# Altium PCB BB.PcbDoc (part 6 of 9) (continued)
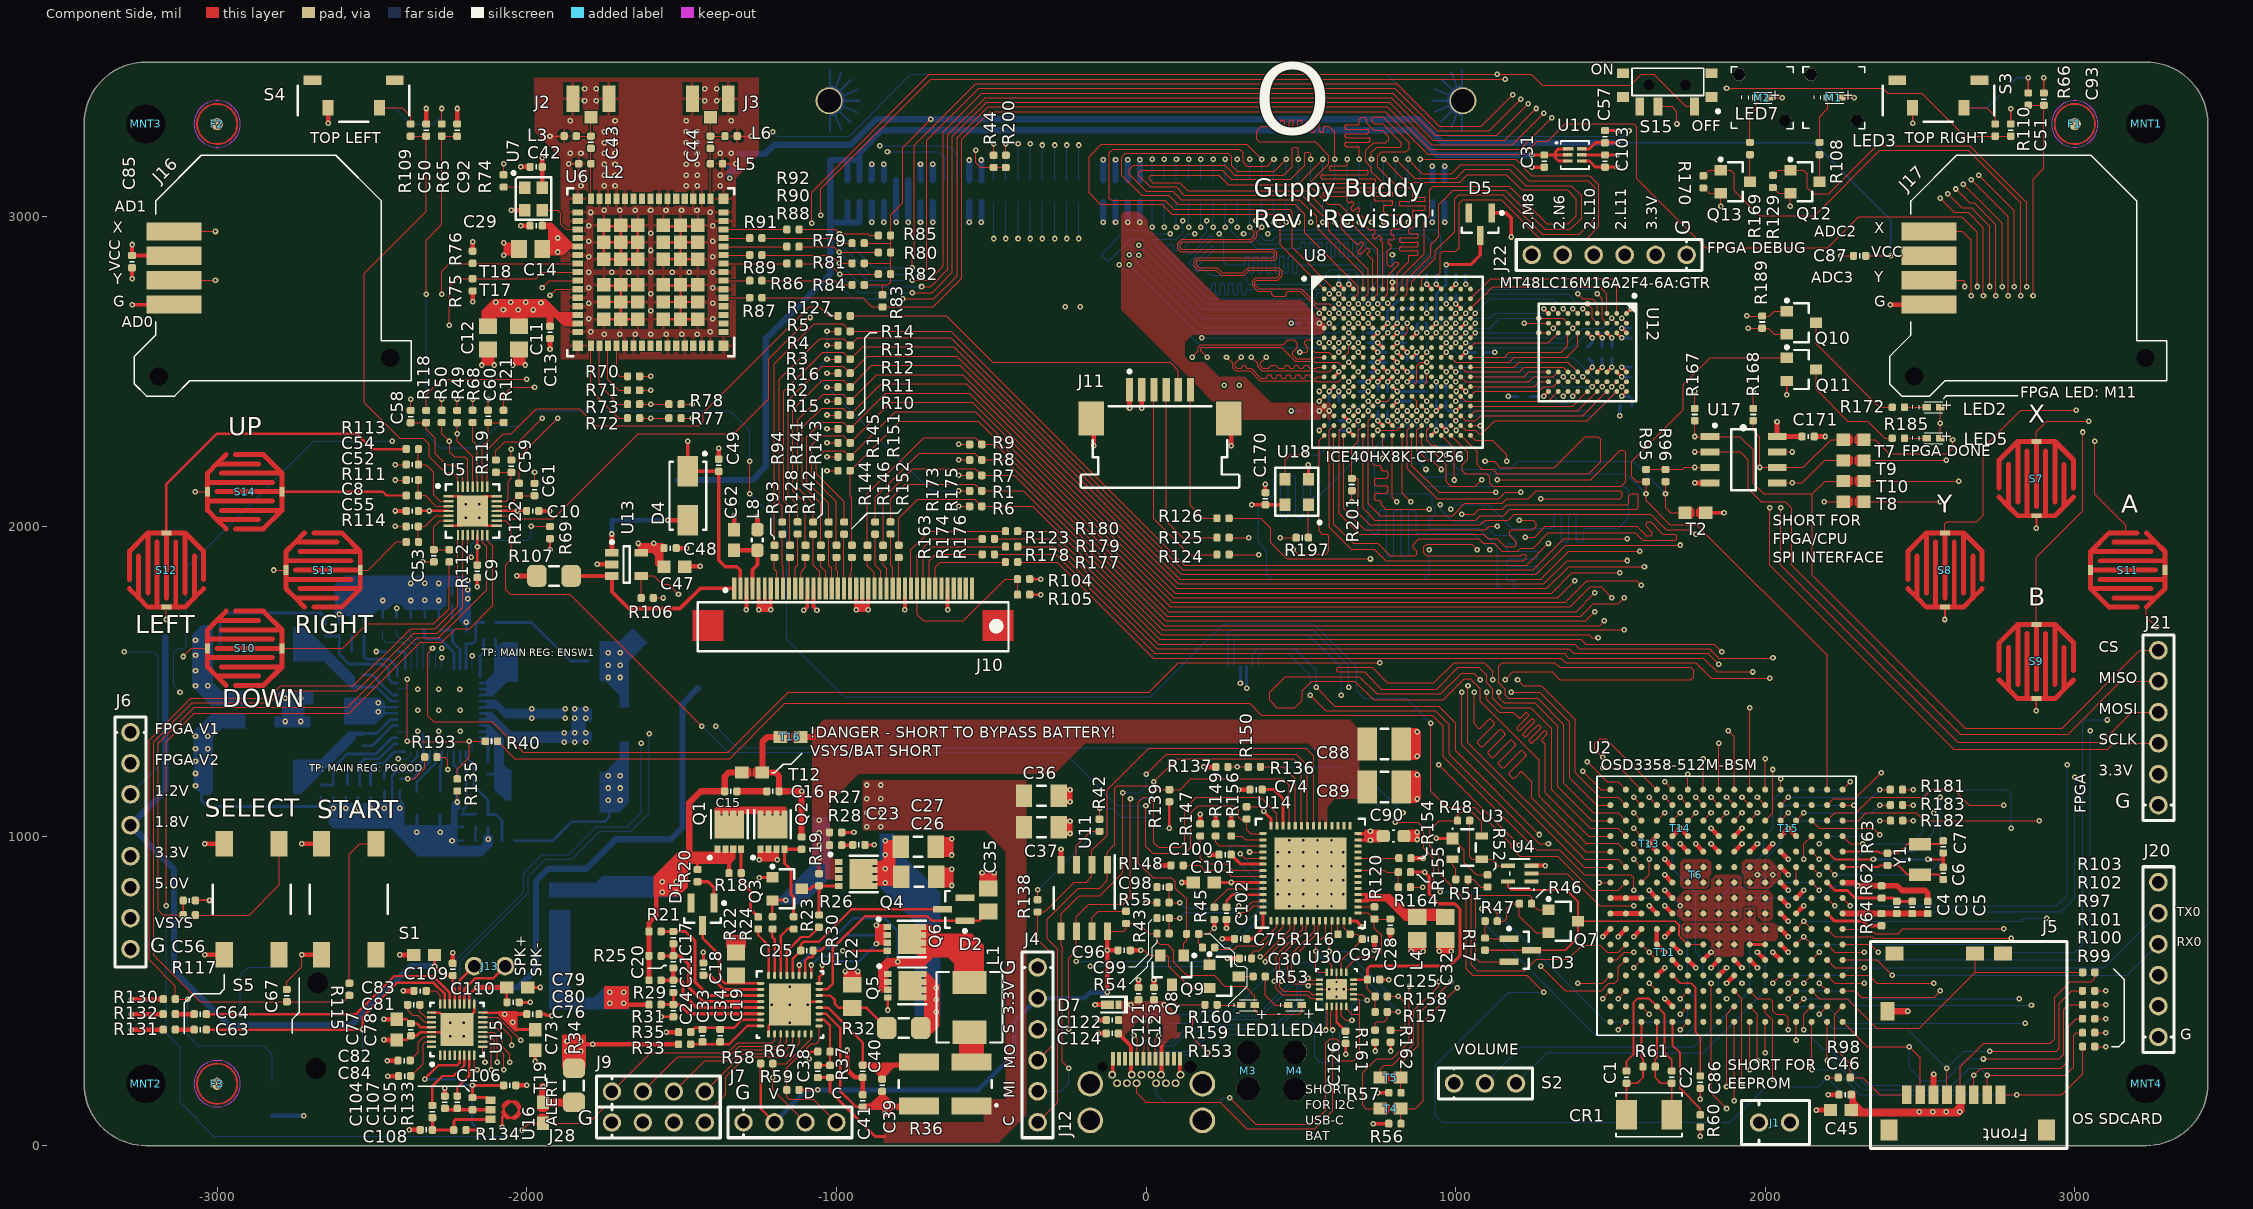
[diagram p0: Component Side view]
## Nets (pads, with @x,y where several pads share a name; then routed paths per layer and width w, separated by ;. In a path a pad name is that pad's centre, name@x,y a point inside that pad or via, vN(x,y) a via of type N, cw(c..) or ccw(c..) an arc to the next point about the centre after c; other vN are vias at no path point) (continued)
  Inner Layer 1 w4: v1(1545,1770) 1625,1690 1625,1425 v1(1800,1250)
LCD_DATA12: R8.1 R173.1 U2.L3 | length 3542.1
  Component Side w4: R173.1@-875,2014.37 -875,2095 -732.86,2237.14 -552.45,2237.14 R8.1@-530.32,2215 -456,2215 64,1695 1420,1695 v1(1450,1725) ; U2.L3@1750,1049.82 v1(1775,1074.82)
  Inner Layer 1 w4: v1(1450,1725) 1485,1725 1520,1690 1520,1655 1545,1630 1545,1369.82 1750,1164.82 1750,1099.82 v1(1775,1074.82)
LCD_DATA13: R7.1 R174.1 U2.L2 | length 3443.8
  Component Side w4: R174.1@-849.17,1939.37 -849.17,2090.83 -753.2,2186.8 -552.12,2186.8 R7.1@-530.32,2165 R7.1@-529.81,2165 ; R7.1@-529.61,2164.8 R7.1@-529.81,2165 ; v1(1480,1695) 1465,1680 59,1680 -426,2165 R7.1@-529.81,2165 ; v1(1725,1124.82) U2.L2@1750,1099.82
  Inner Layer 1 w4: v1(1480,1695) 1500,1675 1500,1650 1525,1625 1525,1360 1725,1160 v1(1725,1124.82)
LCD_DATA14: R1.1 R175.1 U2.L1 | length 3261.6
  Component Side w4: R175.1@-825,2014.8 -825,2090 -777.86,2137.14 -552.45,2137.14 R1.1@-530.45,2115.14 ; R1.1@-530.32,2115 -396,2115 54,1665 55,1666 v1(1545,1666) ; U2.L1@1750,1149.82 v1(1750,1200)
  Inner Layer 1 w4: v1(1545,1666) 1545,1665 1565,1645 1565,1385 v1(1750,1200)
LCD_DATA15: R6.1 R176.1 U2.M3 | length 3277.5
  Component Side w4: R176.1@-798.43,1939.37 -798.43,2026.82 -737.15,2088.1 -553.41,2088.1 R6.1@-530.32,2065 ; R6.1@-529.61,2065 -366,2065 49,1650 1430,1650 1440,1640 v1(1460,1640) ; U2.M3@1700,1050.49 v1(1725,1075.49)
  Inner Layer 1 w4: v1(1460,1640) 1485,1615 1485,1330 1665,1150 1685,1150 1700,1135 1700,1100.49 v1(1725,1075.49)
LCD_ENABLE: R123.1 U2.C12 | length 4109.9
  Component Side w4: R123.1@-489.61,1959.8 -300.8,1959.8 38.94,1620.06 1384.94,1620.06 1400,1605 1820,1605 1850,1575 2024.06,1575 v1(2025.06,1576) ; U2.C12@2150,599.82 v1(2175,624.82)
  Inner Layer 1 w4: v1(2025.06,1576) 2025.06,1573.94 2095,1504 2095,1290 2130,1255 2370,1255 2420,1205 2420,796 2248.82,624.82 v1(2175,624.82)
LCD_HSYNC: R179.1 U2.F2 | length 2939.3
  Component Side w4: R179.1@-414.61,1934.87 -295.87,1934.87 34,1605 1367,1605 1382,1590 1815,1590 v1(1850,1555) ; v1(1975,1124.82) U2.F2@2000,1099.82
  Inner Layer 1 w4: v1(1850,1555) 1975,1430 v1(1975,1124.82)
LCD_PCLK: R180.1 U2.F1 | length 2939.2
  Component Side w4: R180.1@-414.61,1984.67 -305.74,1984.74 44,1635 1405,1635 1420,1620 1835,1620 v1(1860,1595) ; U2.F1@2000,1149.82 v1(2000,1250)
  Inner Layer 1 w4: v1(1860,1595) 2000,1455 v1(2000,1250)
LCD_TOUCH_INT_N: J11.5 R127.2 | length 1194.6
  Component Side w4: R127.2@-955.31,2680 -645,2680 -495,2530 77.68,2530 104.3,2503.39 J11.5@104.3,2441.54
LCD_TOUCH_RESET_N: J11.6 R126.2 | length 475.7
  Component Side w4: J11.6@143.67,2441.54 143.67,2068.81 185.91,2026.57 R126.2@229.13,2026.57
LCD_TOUCH_SCL: J11.3 R124.2 | length 667.9
  Component Side w4: J11.3@25.56,2441.54 25.56,2025.42 141.98,1909 R124.2@229.13,1909
LCD_TOUCH_SDA: J11.4 R125.2 | length 610.8
  Component Side w4: J11.4@64.93,2441.54 64.93,2017.03 118.38,1963.58 R125.2@229.13,1963.58
LCD_VSYNC: R178.1 U2.F3 | length 3124.4
  Component Side w4: R178.1@-489.61,1909.86 -290.93,1909.93 29,1590 1351,1590 1366,1575 1800,1575 1845,1530 v1(1960,1530) ; U2.F3@2000,1049.82 2025,1074.82 v1(2025,1215)
  Inner Layer 1 w4: v1(1960,1530) 2025,1465 v1(2025,1215)
LED0: Q12.1 R129.1 U2.B10 | length 4072.3
  Component Side w4: R129.1@2025,3132.51 2043.49,3151 Q12.1@2081.19,3151 2123.37,3151 2135,3139.37 2135,3094.37 2155,3074.37 2205,3074.37 2360.63,3230 2660,3230 2845,3045 v1(2845,2774) ; U2.B10@2200,699.82 2225,674.82 2345.18,674.82 2350,670 v1(2795,670)
  Inner Layer 1 w4: v1(2795,670) 2795,709 2745,759 2745,1430 2845,1530 v1(2845,2774) v1@2845,2775
LED1: Q13.1 R170.1 U2.A10 | length 4220.7
  Component Side w4: R170.1@1800,3132.51 1818.49,3151 Q13.1@1856.19,3151 1888.37,3151 1900,3139.37 1900,3084.37 1980,3004.37 2160,3004.37 2370.63,3215 2655,3215 2825,3045 v1(2825,2745) ; U2.A10@2250,699.82 2300.18,699.82 2310,690 2350,690 2355,685 2430,685 2445,700 v1(2770,700)
  Inner Layer 1 w4: v1(2770,700) 2725,745 2725,1430 2825,1530 v1(2825,2745)
LED_BACKLIGHT_PWM: R106.1 U2.C5 U13.4 | length 5218.2
  Component Side w4: R106.1@-1630.51,1769 U13.4@-1630.51,1840.2 -1590.2,1840.2 -1563,1813 -1542.02,1813 v1(-1510,1780.98) ; U2.C5@2150,949.82 v1(2175,924.82)
  Inner Layer 1 w4: v1(-1510,1780.98) -1510,1475 v1(-1390,1355) ; v1(830,1074.96) 830,825 910.31,744.69 1140.31,744.69 1305,580 1305,450 1410,345 1585,345 1700,460 1700,521 1729,550 1791,550 1800,559 1800,574.59 2086.41,861 2111.18,861 v1(2175,924.82)
  Solder Side w4: v1(-1390,1355) -1320,1285 619.79,1285 v1@829.92,1074.88
LED_N: J10.1 R107.1 U13.3 | length 612.6
  Component Side w12: R107.1@-1857,1840.2 U13.3@-1725,1840.2 ; -1725,1825.2 -1725,1789 -1671,1735 -1505,1735 -1440,1800 J10.1@-1329.92,1800
LED_P: C49.2 D4.2 J10.2 | length 625.6
  Component Side w12: v1(-1480,2275) D4.2@-1480,2178 C49.2@-1380,2178 -1380,1891 -1359,1870 -1322,1870 -1310.24,1858.24 J10.2@-1310.24,1800
LODRV: Q6.4 U1.25 | length 297.7
  Component Side w8: U1.25@-1081.18,549.98 v1(-1081.18,583.44) ; v1(-980,629.69) Q6.4@-836.1,629.69
  Solder Side w8: v1(-1081.18,583.44) -1052.95,611.67 -998.01,611.67 v1(-980,629.69)
MCASP0_ACLKX: U2.A1 U15.14 | length 5640.9
  Component Side w4: U15.14@-2142.32,398.55 -2096.74,398.55 -2049.03,350.84 v1(-2049.03,325) ; U2.A1@2250,1149.82 v1(2275,1174.82)
  Inner Layer 1 w4: v1(-2049.03,325) -2034.03,310 -1990,310 -1939,361 -1781,361 -1715,295 -1232,295 -1169,358 -796,358 -703,451 -629,451 -395,685 104.96,685 234.84,555.12 404.12,555.12 439,590 1075,590 1380,285 1780.04,285 1875,379.96 v1(1875,474.82)
  Solder Side w4: v1@1875,475 1850,500 1850,799.82 1995,944.82 1995,995 2025,1025 2025,1115 2060,1150 2250.18,1150 v1(2275,1174.82)
MCASP0_AHCLKX: U2.C4 U15.15 | length 5480.1
  Component Side w4: U15.15@-2142.32,414.3 -2094.3,414.3 v1(-2020,340) ; v1(2125,924.82) 2125,974.82 U2.C4@2150,999.82
  Inner Layer 1 w4: v1(-2020,340) -1980,380 -1770,380 -1698,308 -1239,308 -1176,371 -815,371 -696,490 -615,490 -405,700 115,700 245,570 395,570 430,605 1085,605 1390,300 1770,300 1850,380 1850,535 1865,550 1940,550 1950,560 1950,635 1965,650 2085,650 2100,665 2100,835 2108,843 2168,843 2193,868 2193,942 2185,950 2149.82,950 v1@2125,925.18
MCASP0_AXR0: U2.B2 U15.11 | length 6042.5
  Component Side w4: U15.11@-2142.32,351.3 -2116.3,351.3 -2105,340 -2105,305.1 -2095,295.1 v1(-2095,269.96) ; U2.B2@2200,1099.82 2220.18,1120 2290,1120 v1(2375,1205)
  Inner Layer 1 w4: v1(-2095,269.96) -2095,190 -2080,175 -1990,175 -1950,215 -1815,215 -1775,255 -745,255 -375.18,624.82 -170,624.82 -155.18,610 105,610 260,455 630,455 690,515 795,515 825,545 1045,545 1350,240 1810,240 2000,430 2000,535 2050,585 2099,585 2164,650 2240,650 2404,814 2404,1176 v1(2375,1205)
MCASP0_AXR1: U2.C3 U15.12 | length 5789.4
  Component Side w4: U15.12@-2142.32,367.05 -2107.17,367.05 -2095,354.88 -2095,315 -2074.87,294.87 v1(-2074.87,245) ; U2.C3@2150,1049.82 2175,1024.82 2349.18,1024.82 v1(2370,1004)
  Inner Layer 1 w4: v1(-2074.87,245) -2059.87,230 -1824.96,230 -1786.96,268 -1215,268 -1150,333 -697,333 -375,655 85,655 270,470 525,470 565,510 565,530 595,560 1055,560 1360,255 1800,255 1975,430 1975,540 2035,600 2085,600 2152,667 2227,667 2385,825 2385,964 2370,979 v1(2370,1004)
MCASP0_FSX: U2.A2 U15.13 | length 5746.3
  Component Side w4: U15.13@-2142.32,382.8 -2100.99,382.8 -2080,361.81 -2080,320 -2055,295 v1(-2055,270) ; U2.A2@2250,1099.82 v1(2285.36,1099.82)
  Inner Layer 1 w4: v1(-2055,270) -2030,245 -1836.96,245 -1801.17,280.79 -1222.21,280.79 -1157,346 -709,346 -385,670 95,670 280,485 490,485 500,495 500,570 505,575 1065,575 1370,270 1790,270 1925,405 v1(1925,524.82)
  Solder Side w4: v1@1925,525 1900,550 1900,827 1910,837 1974,837 2000,863 2000,927 2050,977 2050,1085 2064.82,1099.82 v1(2285.36,1099.82)
MMC0_CD: J5.10 R103.2 U2.C14 | length 1059.7
  Component Side w4: U2.C14@2150,499.82 2174.82,475 2265.63,475 2360.63,380 2497.68,380 2677.68,560 ; J5.10@2677.68,620.24 2677.68,560 ; R103.2@3025.31,560 2677.68,560
MMC0_CLK: J5.5 R102.2 U2.B15 | length 1231.6
  Component Side w4: v1(2175,424.82) U2.B15@2200,449.82 ; v1@2587,249.83 2587.13,249.71 J5.5@2587.13,164.53 ; v1(2725,305) 2940,305 2950,315 2950,460.12 2989.63,499.75 R102.2@3025,499.75
  Solder Side w4: v1(2175,424.82) 2219.82,380 2456.83,380 v1(2586.87,249.96) 2641.91,305 v1(2725,305)
MMC0_CMD: J5.3 R101.2 U2.B16 | length 1212.8
  Component Side w4: v1(2200,275) U2.B16@2200,399.82 ; J5.3@2673.74,164.53 v1(2673.74,227.87) 2695.83,249.96 2955.96,249.96 2980,274 2980,385 3005.04,410.04 R101.2@3025,410.04
  Solder Side w4: v1(2200,275) 2220,275 2315,180 2625.87,180 v1(2673.74,227.87)
MMC0_DAT0: J5.7 R97.2 U2.A16 | length 1251.3
  Component Side w4: U2.A16@2250,399.82 2329.82,320 v1(2465,320) 2500.51,284.49 J5.7@2500.51,164.53 ; v1(2705,280) 2950,280 2965,295 2965,441 2979.08,455.08 R97.2@3025,455.08
  Solder Side w4: v1(2465,320) 2465,251 2506,210 2580,210 2650,280 v1(2705,280)
MMC0_DAT1: J5.8 R98.2 U2.A15 | length 466.1
  Component Side w4: U2.A15@2250,449.82 2225,424.82 2225,315 2275,265 R98.2@2275,220 2315,220 2370.47,164.53 J5.8@2457.2,164.53
MMC0_DAT2: J5.1 R99.2 U2.C16 | length 1231
  Component Side w4: v1(2150,244.8) U2.C16@2150,399.82 ; J5.1@2760.35,164.53 2760.83,165 v1(2813,165) 2957,165 3025,233 R99.2@3025,319.96
  Solder Side w4: v1(2150,244.8) 2225.2,244.8 2305,165 v1(2813,165)
MMC0_DAT3: J5.2 R100.2 U2.C15 | length 1271
  Component Side w4: v1(2125,375) 2125,424.82 U2.C15@2150,449.82 ; J5.2@2717.05,164.53 v1(2717.05,227.87) 2968.87,227.87 2996,255 2996,356 3005,365 R100.2@3025,365
  Solder Side w4: v1(2125,375) 2188,312 2208,312 2325,195 2604,195 2659,250 2694.92,250 v1(2717.05,227.87)
MMC2_CLK: R84.2 R86.1 U2.D16 | length 7940.4
  Component Side w4: R86.1@-1240.63,2793.88 -1003.88,2793.88 -990.1,2780.1 R84.2@-949.37,2780.1 ; v1(-785,2735) -685,2735 -610,2810 -610,3255 -510,3355 778.93,3355 915.93,3218 1208,3218 v1(1310,3320) ; v1(2100,340) U2.D16@2100,399.82 ; v1(2565,3060) 2610,3015 2655,3015 2705,2965 v1(2705,2745)
  Inner Layer 1 w4: v1(1310,3320) 1555,3320 1700,3175 2035,3175 2150,3060 v1(2565,3060) ; v1(2100,340) 2494,340 2605,451 2605,1430 2705,1530 v1(2705,2745)
  Solder Side w4: v1(-990,2780) -945,2735 v1(-785,2735)
MMC2_CMD: R83.2 R87.1 U2.G14 | length 8178.4
  Component Side w4: R87.1@-1240.63,2738.76 -914.76,2738.76 -886,2710 -687,2710 -595,2802 -595,3250 -505,3340 772.72,3340 909.72,3203 1222,3203 1263,3244 1298,3244 1354,3300 1575,3300 1585,3290 1585,3122.72 1807.72,2900 2202.28,2900 2302.28,3000 2635,3000 2685,2950 v1(2685,2775) ; U2.G14@1950,499.82 1974.82,475 2015,475 2025.06,464.94 2025.06,434.94 2035,425 2063,425 2075,413 v1(2075,375)
  Inner Layer 1 w4: v1(2075,375) 2100,400 2526,400 2585,459 2585,1430 2685,1530 v1(2685,2775) v1@2685,2776
MMC2_DAT0: R82.2 R88.1 U2.F16 | length 8159.4
  Component Side w4: R88.1@-1120.63,2849 -1023,2849 v1(-989,2815) R82.2@-864.37,2815 ; v1(-755,2755) -690.28,2755 -625,2820.28 -625,3260 -515,3370 -507,3370 785.15,3370 922.15,3233 1183,3233 v1(1285,3335) ; v1(2000,300) U2.F16@2000,399.82 ; v1(2590,3075) 2635,3030 2665,3030 2725,2970 v1(2725,2775)
  Inner Layer 1 w4: v1(1285,3335) 1560,3335 1705,3190 2045,3190 2160,3075 v1(2590,3075) ; v1(2000,300) 2110,300 2135,325 2245,325 2270,300 2505,300 2625,420 2625,1430 2725,1530 2725,2050 v1(2725,2775) v1@2725,2776
  Solder Side w4: v1(-989,2815) -929,2755 v1(-755,2755)
MMC2_DAT1: R81.2 R89.1 U2.G15 | length 8365.7
  Component Side w4: R89.1@-1240.63,2876.56 -1016.65,2876.56 v1(-990.1,2850) R81.2@-949.37,2850 ; v1(-725,2775) -695,2775 -640,2830 -640,3265 -520,3385 791.36,3385 928.36,3248 1158,3248 v1(1260,3350) ; U2.G15@1950,449.82 1975,424.82 v1(1975,274.75) ; v1(2615,3090) 2660,3045 2675,3045 2745,2975 v1(2745,2745)
  Inner Layer 1 w4: v1(1260,3350) 1565,3350 1710,3205 2055,3205 2170,3090 v1(2615,3090) ; v1@1975.38,274.37 2109.37,274.37 2145,310 2235,310 2260,285 2515,285 2645,415 2645,1430 2745,1530 v1(2745,2745)
  Solder Side w4: v1(-990.1,2850) -915.1,2775 v1(-725,2775)
MMC2_DAT2: R80.2 R90.1 U2.G16 | length 8392.1
  Component Side w4: R90.1@-1120.63,2904.11 -1009.21,2904.11 v1(-990.1,2885) R80.2@-864.37,2885 ; v1(-755,2795) -700,2795 -655,2840 -655,3275 -530,3400 -507,3400 797.57,3400 934.57,3263 1133,3263 v1(1235,3365) ; v1(1950,245) U2.G16@1950,399.82 U2.G16@1950,400.16 ; v1(2640,3105) 2765,2980 v1(2765,2774)
  Inner Layer 1 w4: v1(1235,3365) 1569.96,3365 1714.96,3220 2065,3220 2180,3105 v1(2640,3105) ; v1(1950,245) 2106.25,245 2156.25,295 2225,295 2250,270 2525,270 2665,410 2665,1429.98 2765,1529.98 v1(2765,2774) v1@2765,2775
  Solder Side w4: v1(-990.1,2885) -900.1,2795 v1(-755,2795)
MMC2_DAT3: R79.2 R91.1 U2.F15 | length 8485.9
  Component Side w4: R91.1@-1240.63,2931.67 -1006.67,2931.67 v1(-990,2915) R79.2@-949.37,2915 ; v1(-725,2815) -708,2832 -708,3247 -540,3415 -507,3415 803.79,3415 940.79,3278 1108,3278 v1(1210,3380) ; U2.F15@2000,449.88 U2.F15@2000,449.82 2000,430.04 2025.06,404.98 v1(2025.06,215) ; v1@2670,3125 2670,3115 2785,3000 v1(2785,2745)
  Inner Layer 1 w4: v1(1210,3380) 1575,3380 1720,3235 2075,3235 2190,3120 v1(2665,3120) ; v1(2025.06,215) 2162,215 2191,244 2524,244 2685,405 2685,1430 2785,1530 v1(2785,2745)
  Solder Side w4: v1(-990,2915) -890,2815 v1(-725,2815)
NetC1_1: C1.1 C2.1 U2.N15 | length 550
  Component Side w6: C1.1@1552,241.19 1552,272.82 1575,295.82 1575,462.91 1586.91,474.82 1625,474.82 U2.N15@1650,449.82 1675,424.82 1675,299.82 1698,276.82 C2.1@1698,241.19
NetC1_2: C1.2 CR1.2 R61.2 U2.P16 | length 344.8
  Component Side w6: CR1.2@1552,99.82 C1.2@1552,201.82 1587,201.82 1605.32,220.14 R61.2@1605.31,255.14 1605.32,279.51 1600,284.82 U2.P16@1600,399.82
NetC2_2: C2.2 CR1.1 R61.1 U2.N16 | length 344.8
  Component Side w6: U2.N16@1650,399.82 1650,284.82 1644.68,279.51 R61.1@1644.68,255.14 1644.68,220.14 1663,201.82 C2.2@1698,201.82 CR1.1@1698,99.82
NetC3_2: C3.2 C4.2 R62.1 U2.B7 | length 300.2
  Component Side w10: U2.B7@2200,849.82 2225.59,824.24 2265.59,824.24 2290,799.82 R62.1@2376,799.82 2414.27,799.82 C4.2@2425.01,789.08 C3.2@2475,789.08
NetC6_1: C6.1 C7.1 U2.B5 | length 385.4
  Component Side w6: U2.B5@2200,949.82 2225,924.82 v1@2349.67,924.82 ; v1@2524.9,924.82 2575,924.82
  Solder Side w6: v1(2349.67,924.49) v1(2524.9,924.49)
NetC6_2: C6.2 R63.2 U2.A6 Y1.1 | length 346
  Component Side w6: U2.A6@2250,899.82 2365,899.82 2370.31,905.14 R63.2@2394.68,905.14 2429.68,905.14 2458.88,875.94 2558.88,875.94 C6.2@2575,859.82
NetC7_2: C7.2 R63.1 U2.A5 Y1.2 | length 343.9
  Component Side w6: U2.A5@2250,949.82 2365,949.82 2370.31,944.51 R63.1@2394.68,944.51 2429.68,944.51 2459.55,974.37 2564.55,974.37 C7.2@2575,984.82
NetC15_1: C15.1 C16.2 | length 96.5
  Component Side w20: C15.1@-1321.34,1144.46 C16.2@-1224.88,1144.46
NetC15_2: C15.2 J14.1 Q1.1 Q1.2 Q1.3 R18.1 R20.1 R21.1 R25.1 R29.1 T12.2 | length 739
  Component Side w10: R20.1@-1448.43,891.9 -1448.43,921
  Component Side w15: R29.1@-1605.44,534.23 R25.1@-1605.44,612.97 R21.1@-1605.44,691.71 -1605.44,719.56 -1582,743 -1582,838
  Component Side w20: -1475.08,949 -1475.08,1107.61 -1438.23,1144.46 C15.2@-1360.71,1144.46 -1360.71,1192.28 -1347.5,1205.49 T12.2@-1305.87,1205.49
  other v1: -1517,818.03 -1562,853.03 -1517,853.03
  other v5: -1562,818.03
NetC18_2: C18.2 U1.2 | length 204.2
  Component Side w10: C18.2@-1429.76,550.53 -1410.53,550.53 -1364.7,504.7 U1.2@-1244.57,504.7
NetC19_2: C19.2 D1.3 U1.1 | length 331.8
  Component Side w8: D1.3@-1432.4,710.53 -1432.4,670.93 -1377,615.53 -1377,541 -1360.39,524.39 U1.1@-1244.57,524.39
NetC22_2: C22.2 R32.1 U1.22 | length 269
  Component Side w8: U1.22@-1055.59,485.02 -1019.72,485.02 -1005,470.3 -1005,457.65 -992.35,445 C22.2@-949,445 -902.56,445 R32.1@-837.52,379.96
NetC23_2: C23.2 R28.2 | length 35.2
  Component Side w10: R28.2@-982.76,970.49 C23.2@-947.56,970.49
NetC25_2: C25.2 D2.3 U1.28 | length 614.1
  Component Side w8: U1.28@-1140.24,549.98 -1140.24,604.45 C25.2@-1114.69,630 -1114.69,649.31 -1106,658 -1057,658 -951.54,763.46 D2.3@-657.83,763.46
NetC26_2: C26.2 C27.2 Q4.5 Q4.6 Q4.7 Q4.8 Q4.TAB Q5.5 Q5.6 Q5.7 Q5.8 Q5.TAB R32.2
  other v1: -677.64,431.85 -677.64,471.22 -677.64,510.59 -842.2,849.74 -842.2,894.74 -842.2,939.74 -842.2,984.74
NetC30_2: C30.2 U14.3 | length 173.3
  Component Side w4: C30.2@341,605 341,622 349,630 366.3,630 442.68,706.38 U14.3@442.68,726.06
NetC32_2: C32.2 L4.2 U14.17 U14.18 | length 63
  Component Side w10: U14.17@684.8,791.02 716.3,791.02 ; U14.18@684.8,810.71 716.3,810.71
NetC33_1: C33.1 C34.2 R33.2 U1.8 | length 250.9
  Component Side w8: R33.2@-1471,327.54 -1346.93,327.54 -1287.87,386.59 U1.8@-1244.57,386.59
NetC33_2: C33.2 C34.1 R35.2 U1.7 | length 242.4
  Component Side w8: R35.2@-1470.62,366.91 -1456.84,380.69 -1331.18,380.69 -1305.59,406.28 U1.7@-1244.57,406.28
NetC35_2: C35.2 D2.1 U1.23 | length 729.7
  Component Side w8: U1.23@-1055.59,504.7 -1029.94,504.7 -1012.28,522.36 -1012.28,636.72 -908,741 -706,741 -691.06,726.06 D2.1@-585,726.06 -539.79,726.06 C35.2@-509.46,756.39
NetC43_1: C43.1 J2.3 L3.2 | length 107.7
  Component Side w4: L3.2@-1840,3260.81 C43.1@-1792.91,3260.81 J2.3@-1792.91,3321.44
NetC44_1: C44.1 J3.3 L6.2 | length 107.7
  Component Side w4: J3.3@-1407.09,3321.44 C44.1@-1407.09,3260.81 L6.2@-1360,3260.81
NetC62_2: C62.2 J10.4 L8.1 | length 204.9
  Component Side w12: J10.4@-1270.87,1800 -1270.87,1860.13 -1255,1876 L8.1@-1255,1923
  Component Side w15: C62.2@-1330.33,1923 L8.1@-1255,1923
NetC63_1: C63.1 R131.1 | length 60.6
  Component Side w15: R131.1@-3135,374.78 C63.1@-3074.37,374.78
NetC63_2: C63.2 J19.3 U15.23 | length 998
  Component Side w8: C63.2@-3035,374.96 v1@-2529.33,374.96 ; v1(-2529.33,375.3) -2529.33,416.67 -2420,526 -2301.1,526 -2264.37,489.27 U15.23@-2264.37,457.6
  Solder Side w4: J19.3@-2529.33,281.5 v1(-2529.33,375.3)
NetC64_1: C64.1 R132.1 | length 60.6
  Component Side w15: R132.1@-3135,424.82 C64.1@-3074.37,424.82
NetC64_2: C64.2 J19.2 U15.22 | length 1135.4
  Component Side w8: C64.2@-3035,425 v1(-2925,425) -2551,425 -2428,548 -2303,548 -2248.62,493.62 U15.22@-2248.62,457.6
  Solder Side w4: v1(-2925,425) -2925,551.77 -2900,576.77 J19.2@-2822.64,576.77
NetC74_2: C74.2 U14.40 | length 168.1
  Component Side w10: C74.2@375,1150 414.22,1150 442.68,1121.54 442.68,1081.12 442.99,1080.8 442.99,1064.24 442.68,1063.92 U14.40@442.68,1033.15
NetC75_2: C75.2 U14.56 | length 116.2
  Component Side w10: C75.2@325,667.01 341.56,667.01 377.72,703.16 U14.56@377.72,751.65
NetC81_1: C81.1 U15.27 | length 111.1
  Component Side w4: C81.1@-2384.68,455 -2384.68,436.68 -2369,421 -2351.41,421 -2328.96,398.55 U15.27@-2307.68,398.55
NetC81_2: C81.2 U15.26 | length 67.5
  Component Side w4: C81.2@-2345.31,455 -2345.32,432.8 -2326.81,414.3 U15.26@-2307.68,414.3
NetC82_2: C82.2 U15.30 | length 120.2
  Component Side w4: C82.2@-2376.85,274.75 -2350.16,301.44 -2350.16,334.43 -2333.29,351.3 U15.30@-2307.68,351.3
NetC83_2: C83.2 U15.24 | length 79
  Component Side w4: C83.2@-2325,499.75 -2293.75,499.75 -2280.12,486.12 U15.24@-2280.12,457.6
NetC84_2: C84.2 U15.31 | length 150.6
  Component Side w4: C84.2@-2375.16,224.75 -2335.16,264.75 -2335.16,328.21 -2327.82,335.56 U15.31@-2307.68,335.56
NetC86_2: C86.2 U2.M13 | length 383.4
  Component Side w6: U2.M13@1700,549.82 1725,524.82 1760.93,524.82 1775,510.75 1775,367 1790.18,351.82 C86.2@1790.18,224.82
NetC91_1: C91.1 L10.2 U9.2 U9.3 U9.4 | length 118.8
  Solder Side w9: U9.4@-2150.67,1455.35 -2123.94,1455.35 ; U9.3@-2150.67,1475.04 -2123.94,1475.04 ; U9.2@-2150.67,1494.72 -2123.94,1494.72 ; C91.1@-2100.84,1636.14 -2100.84,1616.46 -2094.53,1610.14 -2084.53,1610.14
NetC91_2: C91.2 U9.1 | length 126.1
  Solder Side w9: U9.1@-2150.67,1514.41 -2150.67,1582 -2140.21,1592.46 C91.2@-2140.21,1636.14
NetC100_2: C100.2 U14.48 | length 115.5
  Component Side w10: C100.2@275,940 305.87,909.13 U14.48@377.72,909.13
NetC104_1: C104.1 U15.6 | length 226.8
  Component Side w8: C104.1@-2305,129.68 -2305,192.6 -2272.6,225 -2236.13,225 -2201.38,259.75 U15.6@-2201.38,292.25
NetC104_2: C104.2 C108.1 R134.2 U16.3 | length 258.2
  Component Side w10: C104.2@-2305,90.31 C108.1@-2305,51 -2235.35,51 -2235.35,79.65 -2230.02,84.98 U16.3@-2117,84.98
NetC105_1: C105.1 U15.7 | length 148.3
  Component Side w8: C105.1@-2224.59,160.12 -2224.59,187.41 -2185.63,226.37 U15.7@-2185.63,292.25
NetC105_2: C105.2 C107.1 R133.2 U16.2 | length 144
  Component Side w10: C107.1@-2261,116 R133.2@-2175.43,116 U16.2@-2117,116
NetC106_2: C106.2 R133.1 R134.1 U15.5 U16.1 | length 719
  Component Side w8: v1(-2330,215) -2285.25,259.75 -2224.9,259.75 -2217.13,267.53 U15.5@-2217.13,292.25
  Component Side w10: R134.1@-2196.63,50.35 v1(-2155,50.35) ; U16.1@-2117,146.98 -2125.39,155.37 R133.1@-2175.43,155.37 v1(-2175.43,195) C106.2@-2074.87,195
  Solder Side w8: v1(-2330,215) -2225,215 -2206,196 -2176.43,196 v1(-2175.43,195) -2175.43,70.78 v1(-2155,50.35)
NetC114_2: C114.2 R41.2 | length 40.3
  Solder Side w9: R41.2@-2240.53,1705.83 C114.2@-2240.53,1746.14
NetC115_2: C115.2 R41.1 U9.46 | length 174.1
  Solder Side w9: C115.2@-2278.7,1665.31 R41.1@-2240,1665.31 -2240,1626.61 -2215.63,1602.24 U9.46@-2215.63,1540
NetC126_2: C126.2 U30.3 | length 92.2
  Component Side w8: U30.3@615.32,449.88 615.32,399.68 C126.2@645,370
NetC137_2: C137.2 U9.45 | length 190.9
  Solder Side w9: C137.2@-2330,1665.31 -2330,1641.61 -2324.53,1636.14 -2279.53,1636.14 -2235.31,1591.93 U9.45@-2235.31,1540
NetC138_1: C138.1 L11.2 U9.9 U9.10 U9.11 | length 101.7
  Solder Side w9: U9.11@-2150.67,1317.56 -2123.94,1317.56 ; U9.10@-2150.67,1337.24 -2123.94,1337.24 ; U9.9@-2150.67,1356.93 -2123.94,1356.93 ; C138.1@-2125.53,1200.31 -2104,1200.31
NetC138_2: C138.2 U9.12 | length 79.8
  Solder Side w9: U9.12@-2150.67,1297.87 -2131.87,1297.87 -2125.06,1291.06 C138.2@-2125.06,1239.69
NetC141_2: C141.2 R140.1 | length 46.8
  Solder Side w8: C141.2@-2166.83,984.83 -2166.83,1006.69 -2164.51,1009 R140.1@-2164.51,1030.32 R140.1@-2164.51,1030.63
NetC142_2: C142.2 R140.2 U9.15 | length 264.9
  Solder Side w8: U9.15@-2215.63,1272.28 -2215.63,1240.63 -2195,1220 -2195,1098 -2205,1088 C142.2@-2205,1070.17 ; C142.2@-2210,1070 C142.2@-2205.02,1070.17 ; C142.2@-2209.51,1069.51 C142.2@-2205.07,1070.16 ; R140.2@-2164.51,1070.16 C142.2@-2205.07,1070.16 ; C142.2@-2205.07,1070.16 C142.2@-2205,1070.17
NetC143_2: C143.2 U9.16 | length 91.9
  Solder Side w8: U9.16@-2235.31,1272.28 -2235.31,1229.31 -2225,1219 C143.2@-2225,1184.69
NetC144_1: C144.1 L12.2 U9.29 | length 130.1
  Solder Side w9: C144.1@-2529.53,1330.83 -2485.36,1330.83 -2439.57,1376.61 U9.29@-2418.39,1376.61
NetC144_2: C144.2 U9.28 | length 138.3
  Solder Side w9: C144.2@-2529.53,1291.46 -2499.21,1291.46 -2433.74,1356.93 U9.28@-2418.39,1356.93
NetC147_2: C147.2 R186.1 | length 50.6
  Solder Side w9: C147.2@-2579.21,1165.37 R186.1@-2579.21,1216
NetC148_2: C148.2 R186.2 U9.25 | length 216.4
  Solder Side w9: C148.2@-2539.84,1165.37 R186.2@-2539.84,1216 -2539.84,1233.69 -2523.53,1250 -2477,1250 -2429.13,1297.87 U9.25@-2418.39,1297.87
NetC149_2: C149.2 U9.24 | length 185.5
  Solder Side w9: C149.2@-2505,1164.69 -2505,1213.67 -2483.67,1235 -2465,1235 -2427.72,1272.28 U9.24@-2392.8,1272.28
NetC150_1: C150.1 L13.2 U9.32 | length 130.1
  Solder Side w9: C150.1@-2529.53,1481.46 -2485.36,1481.46 -2439.57,1435.67 U9.32@-2418.39,1435.67
NetC150_2: C150.2 U9.33 | length 138.3
  Solder Side w9: C150.2@-2529.53,1520.83 -2499.21,1520.83 -2433.74,1455.35 U9.33@-2418.39,1455.35
NetC153_2: C153.2 R190.1 | length 50
  Solder Side w9: R190.1@-2565.21,1596.14 C153.2@-2565.21,1646.14
NetC154_2: C154.2 R190.2 U9.36 | length 219
  Solder Side w9: C154.2@-2525.84,1646.77 R190.2@-2525.84,1596.14 -2525.84,1579.46 -2517.53,1571.14 -2445.53,1571.14 -2418.39,1544 U9.36@-2418.39,1514.41
NetC155_2: C155.2 U9.37 | length 75.8
  Solder Side w9: C155.2@-2415.84,1596.14 -2398.53,1596.14 -2392.8,1590.41 U9.37@-2392.8,1540
NetC159_2: C159.2 U9.18 | length 132.1
  Solder Side w8: C159.2@-2280,1142.4 -2280,1226 -2274.68,1231.31 U9.18@-2274.68,1272.28
NetC160_2: C160.2 U9.19 | length 155
  Solder Side w8: C160.2@-2355,1142.4 -2355,1175.44 -2294.37,1236.07 U9.19@-2294.37,1272.28
NetC166_2: C166.2 C167.2 R38.2 U8.L8 | length 116.8
  Component Side w10: U8.L8@796.06,2451.77 v1(811.81,2436.02)
  Solder Side w10: v1(811.81,2436.02) R38.2@906.3,2436.02
NetC168_2: C168.2 C169.2 R39.2 U8.E8 | length 126.5
  Component Side w10: U8.E8@796.06,2640.75 v1(811.81,2656.5)
  Solder Side w10: v1(811.81,2656.5) 811.81,2695.12 820.43,2703.74 827.56,2703.74 827.82,2704 C169.2@834,2704 850.38,2704 R39.2@866.93,2720.55
NetD1_1: D1.1 R20.2 | length 111.5
  Component Side w10: R20.2@-1448.43,852.53 -1414,852.53 -1395,833.53 D1.1@-1395,783.36
NetD3_1: D3.1 R17.2 R47.1 | length 132.3
  Component Side w4: R47.1@1095.32,725 1095.32,670.57 1117.43,670.57 1119.4,668.6 D3.1@1172.36,668.6
NetD3_2: D3.2 Q7.1 R46.1 | length 581
  Component Side w4: D3.2@1172.36,593.8 1076.2,593.8 1065,605 1065,805 1069,809 1239,809 1245.2,802.8 R46.1@1245.2,781.54 1264.51,762.22 Q7.1@1300.51,762.22
NetD4_1: D4.1 L7.2 U13.1 | length 365.5
  Component Side w15: U13.1@-1725,1915 v1(-1725,1975.63) ; v1(-1544.88,2020.52) D4.1@-1480,2020.52
  Solder Side w15: -1725,1960.63 L7.2@-1725,2020.52 v1(-1544.88,2020.52)
NetD5_3: D5.3 U8.E12 | length 410.8
  Component Side w10: U8.E12@922.05,2640.75 v1(937.8,2656.5) ; v1(969.29,2845.47) 1048.44,2845.47 1079.53,2876.56 D5.3@1079.53,2939.96
  Solder Side w10: v1(937.8,2656.5) 937.8,2750.98 969.29,2782.48 v1(969.29,2845.47)
NetJ1_1: J1.1 U2.M2 | length 1246.7
  Component Side w4: v1(1675,1124.82) U2.M2@1700,1099.82 ; v1(1825,524.82) 1825,170 v1(1875,120)
  Inner Layer 1 w4: v1(1875,120) 1920.17,74.83 J1.1@1980,74.83
  Solder Side w4: v1(1675,1124.82) 1700,1099.82 1700,895 1775.02,819.98 1775.02,624.8 1800,599.82 1800,549.82 v1(1825,524.82)
NetJ13_1: J13.1 U15.20 | length 141.9
  Component Side w8: U15.20@-2217.13,457.6 -2217.13,532.87 J13.1@-2170,580
NetJ13_2: J13.2 U15.19 | length 210.4
  Component Side w8: U15.19@-2201.38,457.6 -2201.38,505.99 -2167.13,540.24 -2109.76,540.24 J13.2@-2070,580
NetJ14_2: J14.2 J15.1 R31.1 | length 81.6
  Component Side w15: v1@-1687,455.49 R31.1@-1605.44,455.49
  other v1: -1732,460 -1687,460 -1687,495
  other v5: -1732,495
NetL1_1: L1.1 R36.2
NetLED1_2: LED1.2 R153.1 | length 79
  Component Side w4: R153.1@229.68,455 230.61,454.08 LED1.2@308.35,454.08
NetLED2_2: LED2.2 R172.1 | length 72
  Component Side w4: R172.1@2449.68,2385 LED2.2@2521.69,2385
NetLED3_2: LED3.2 R108.1 | length 155.7
  Component Side w4: R108.1@2175.68,3240.37 2175.68,3323.68 2202.32,3350.31 LED3.2@2202.32,3385